# Altium PCB ControlBoard.PcbDoc (part 1 of 3)
Units mm, origin at the board's own origin, x right, y up, seen from the top; angles counter-clockwise.
Board outline 230 x 120 mm, 4 copper layers (Top Layer, GND, PWR, Bottom Layer), stack 0.778 mm thick; 165 components, 126 nets, 587 pads, 792 vias.
Unrouted connection lines stored in the file: 3.
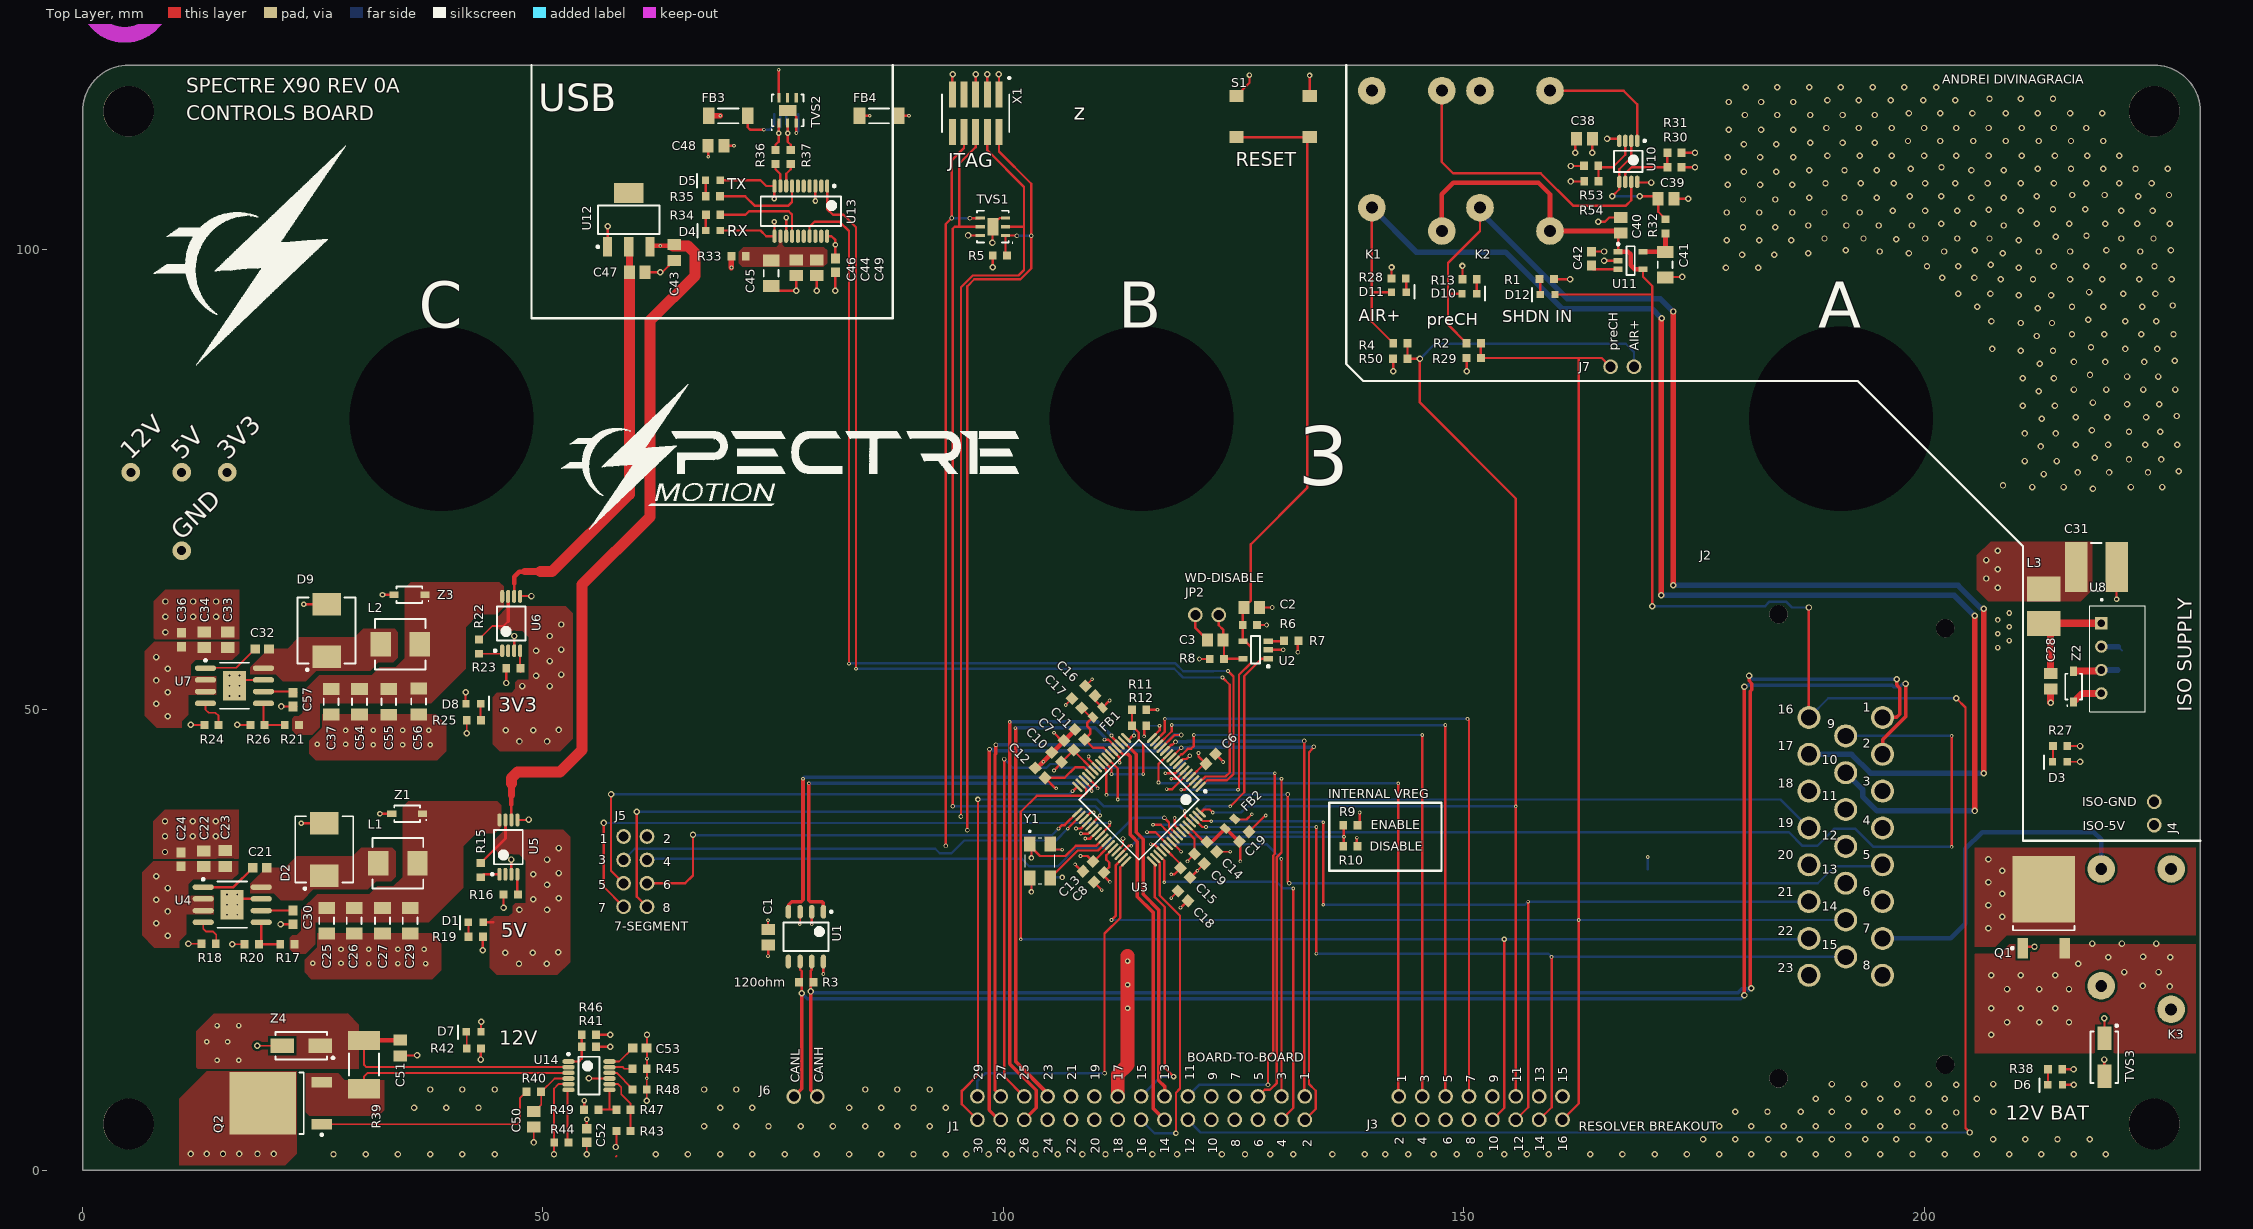
[diagram p0: Top Layer view]
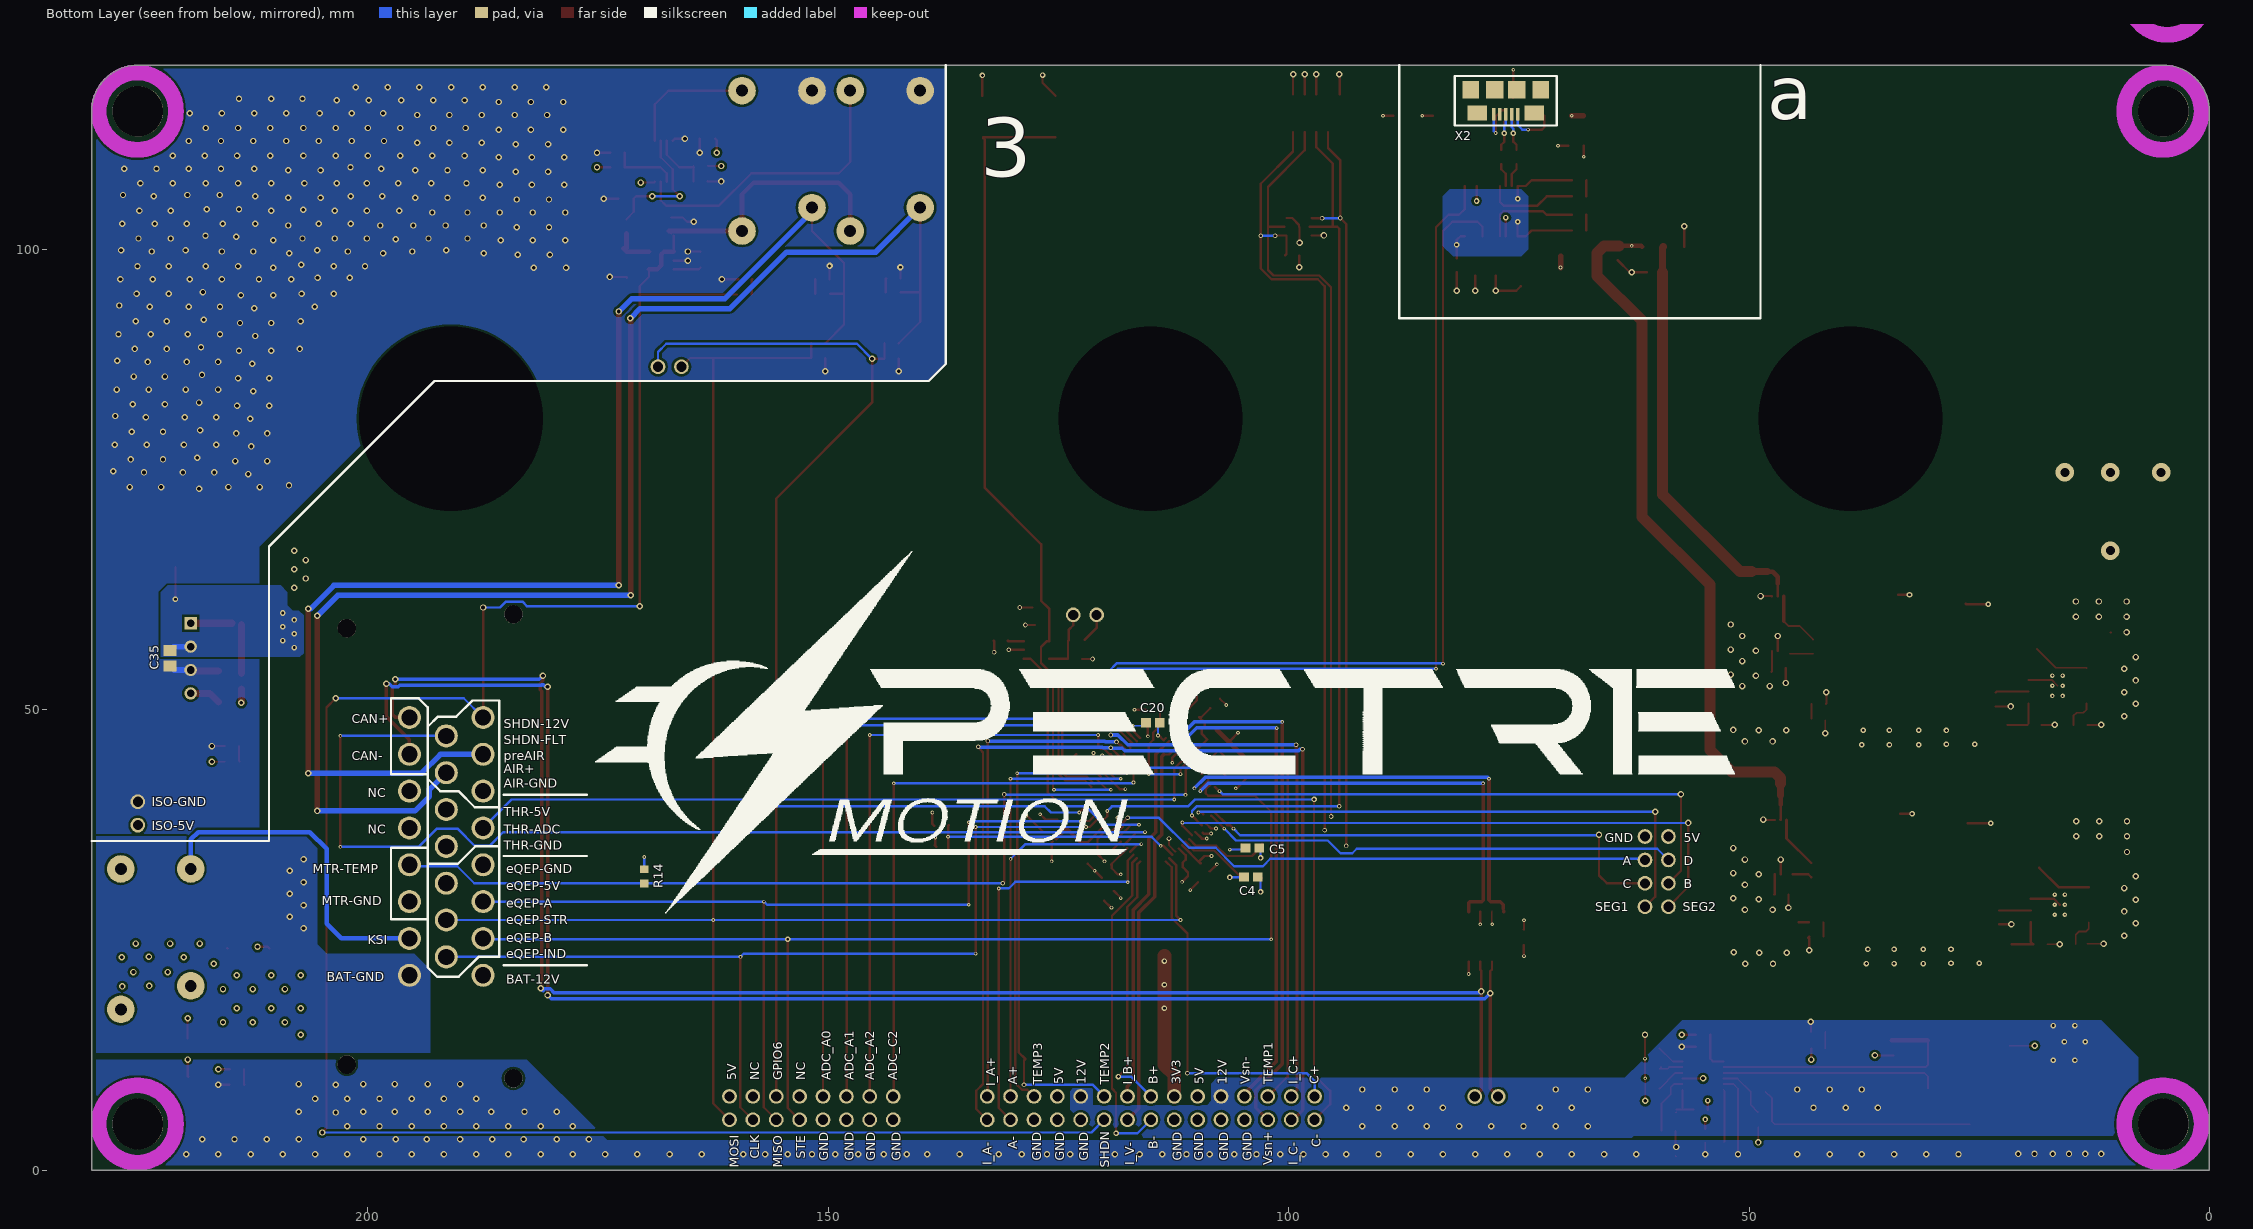
[diagram p1: Bottom Layer view, seen from below]
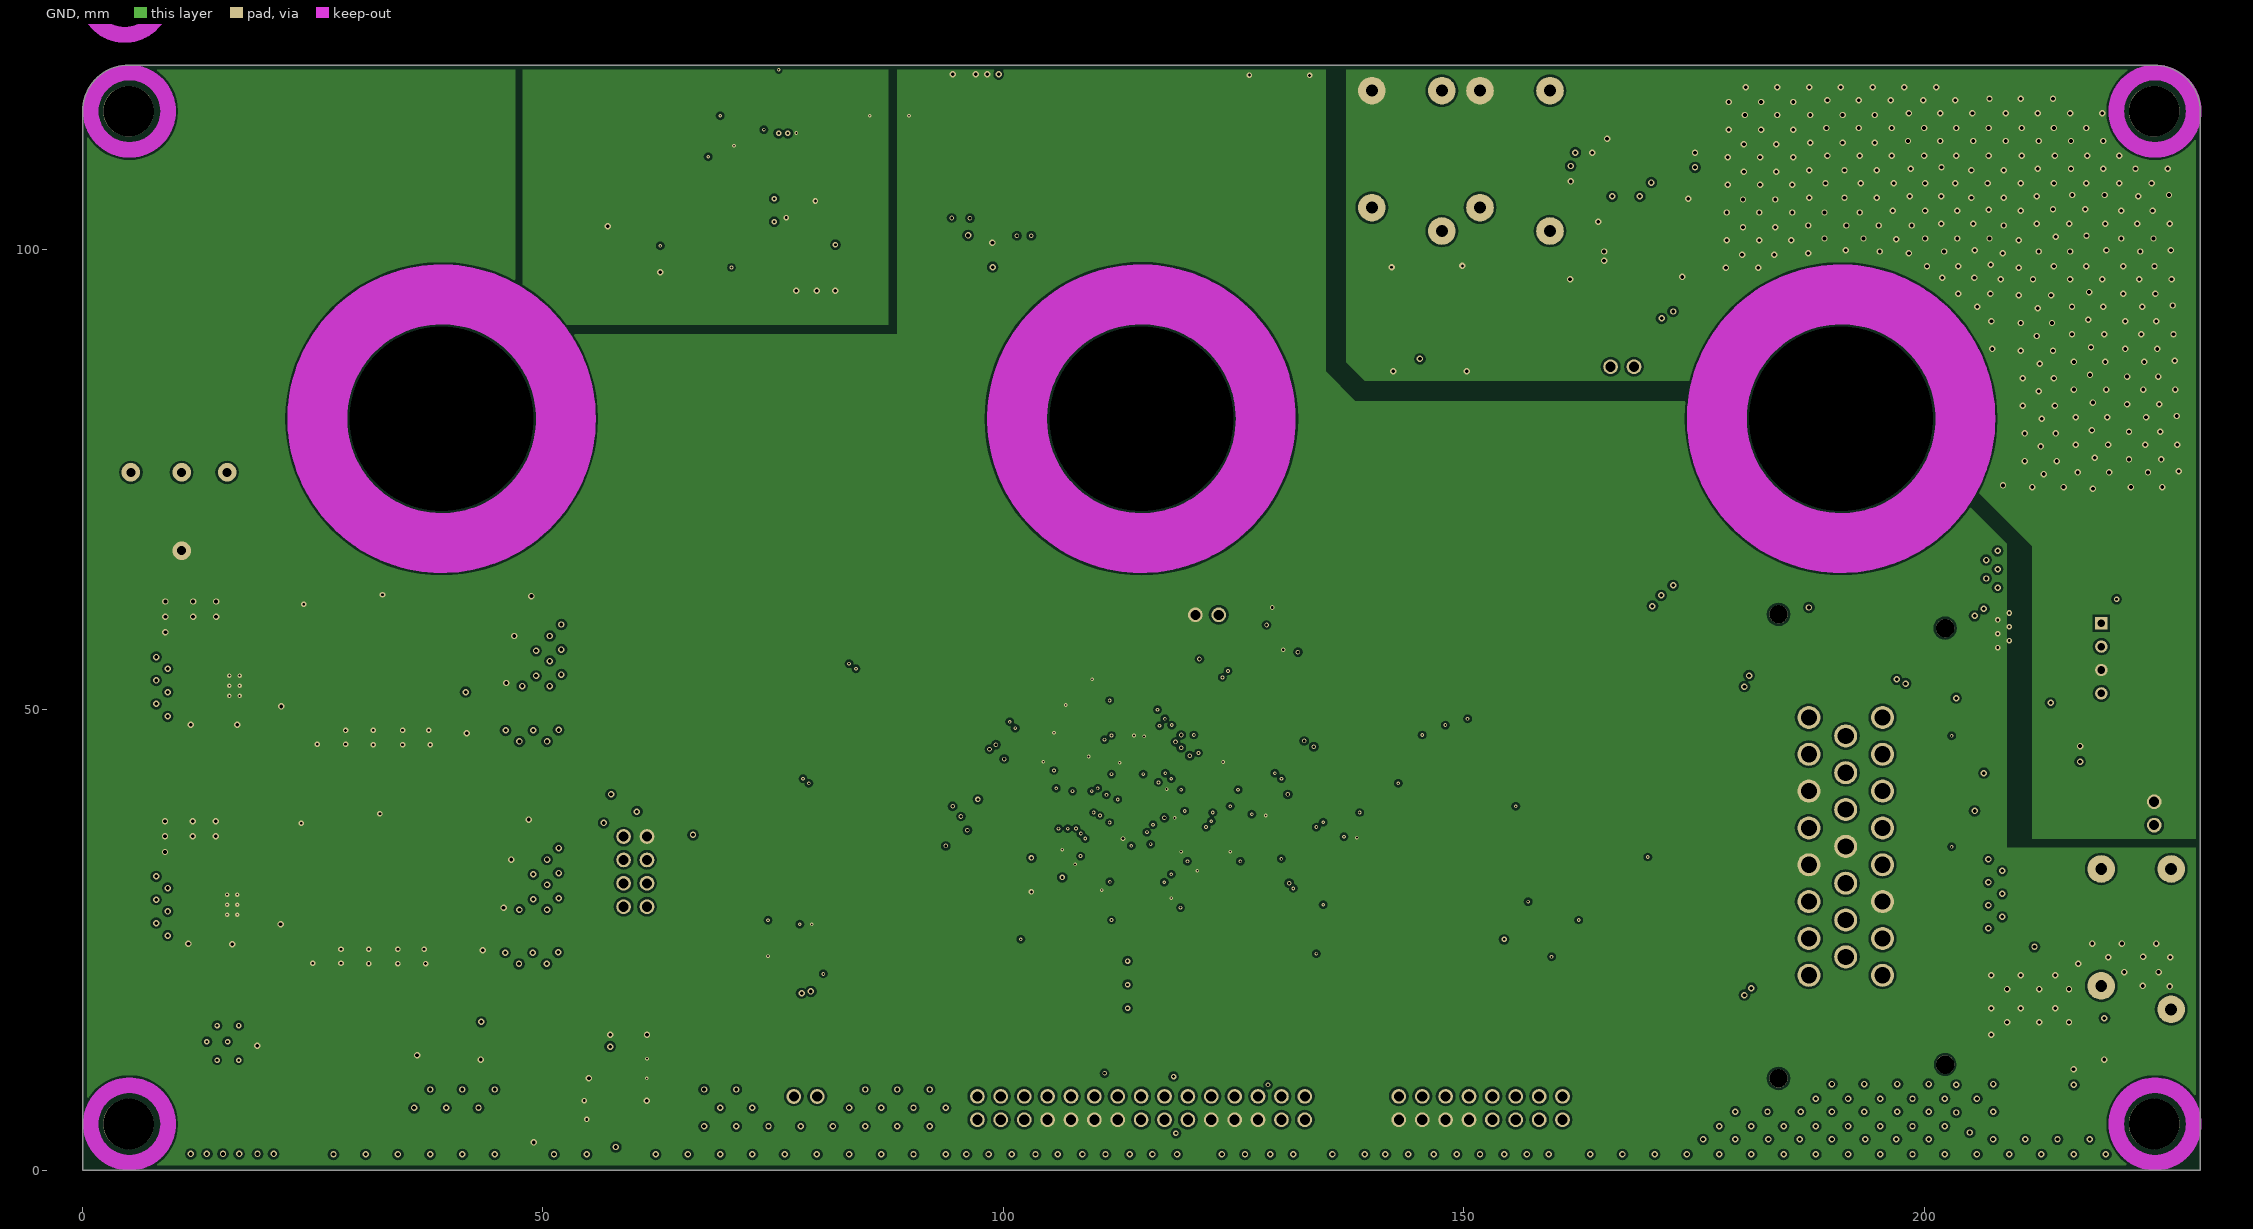
[diagram p2: GND]
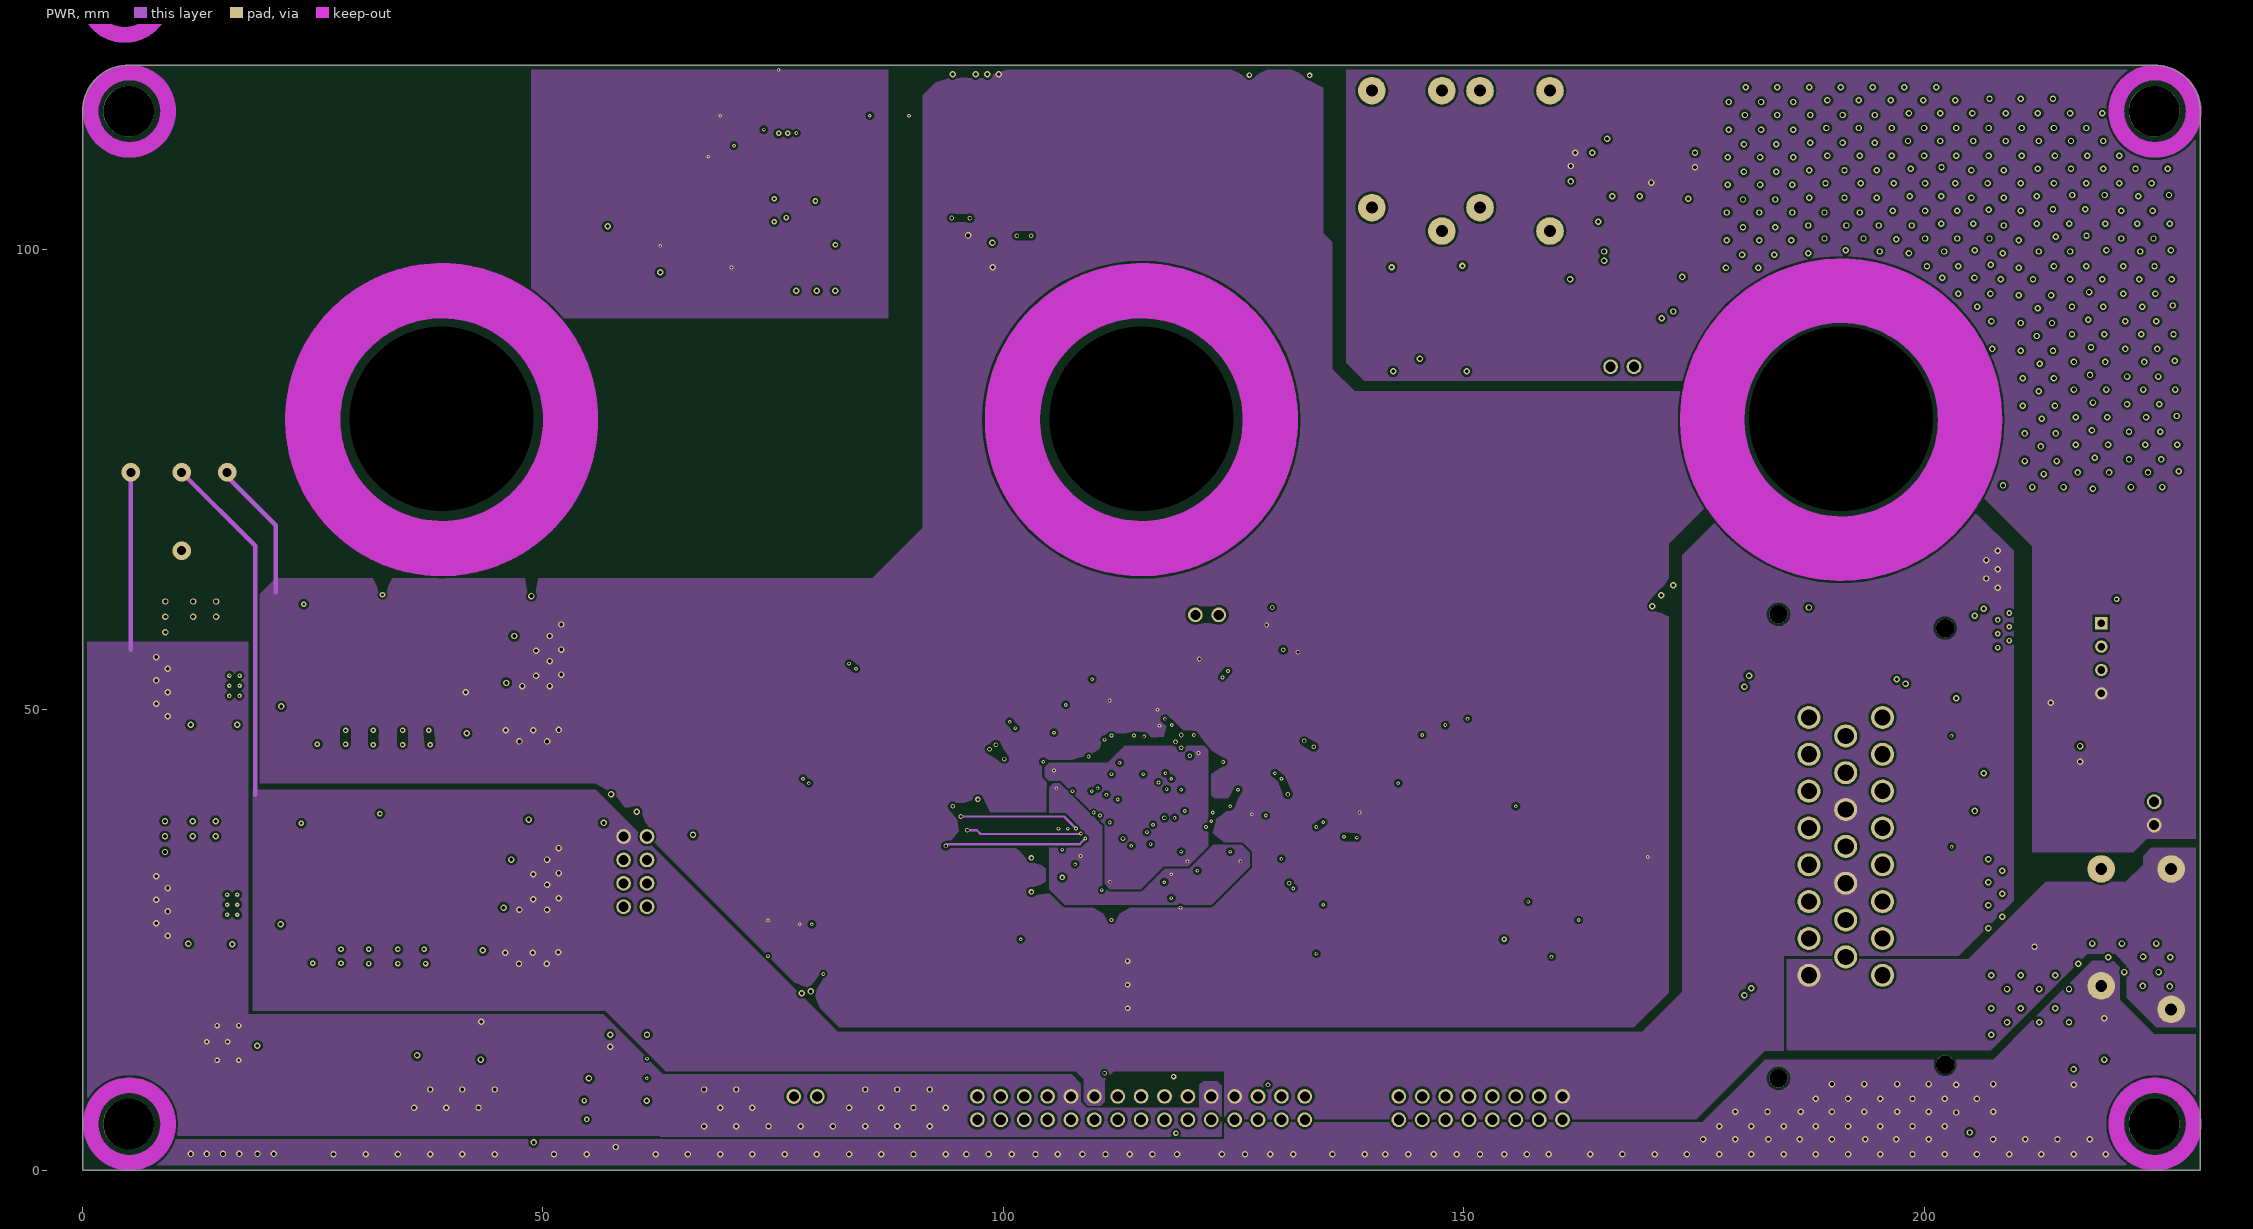
[diagram p3: PWR]

## Layer stack, top to bottom
Top Solder: solder mask 0.0102, Solder Resist, Dk 3.5
Top Layer: signal copper 0.0356
Dielectric 1: core 0.254, FR-4, Dk 4.2
GND: signal copper 0.036
Dielectric 2: prepreg 0.127, Dk 4.2
PWR: signal copper 0.036
Dielectric 3: core 0.254, Dk 4.2
Bottom Layer: signal copper 0.0356
Bottom Solder: solder mask 0.0102, Solder Resist, Dk 3.5

## Board outline
0,0 0,115 cw(c5,115) 5,120 225,120 cw(c225,115) 230,115 230,0

## Design rules (kind name [scope] priority, off if disabled: settings)
Clearance [All] p1: gap=0.254 ignorepadtopadclearanceinfootprint=TRUE except(0: Arc-Hole Track-Hole SMDPad-Hole THPad-Hole Via-Hole Fill-Hole Poly-Hole Region-Hole Text-Hole; 0.154: Arc-Arc Arc-Track Arc-SMDPad Arc-THPad Arc-Via Track-Track Track-SMDPad Track-THPad Track-Via SMDPad-SMDPad SMDPad-THPad SMDPad-Via THPad-THPad THPad-Via Via-Via)
DiffPairsRouting [All] p1: maxlimit=0.254 minlimit=0.254 mostfreqgap=0.254 toplayer_minwidth=0.154 toplayer_maxwidth=0.381 toplayer_prefwidth=0.381 midlayer1_minwidth=0.254 midlayer1_maxwidth=0.381 midlayer1_prefwidth=0.381 midlayer2_minwidth=0.381 midlayer2_maxwidth=0.381 midlayer2_prefwidth=0.381 bottomlayer_minwidth=0.154 bottomlayer_maxwidth=0.381 bottomlayer_prefwidth=0.381 maxuncoupledlength=12.7
PolygonConnect [All] p1: connectstyle=Direct reliefconductorwidth=0.254 reliefentries=4 polygonreliefangle="90 Angle" airgapwidth=0.254
RoutingVias [All] p1: holewidth=0.711 width=1.27 viastyle="Through Hole" minholewidth=0.711 minwidth=1.27 maxholewidth=0.711 maxwidth=1.27
SolderMaskExpansion [All] p1: expansion=0.102
Width [All] p1: maxlimit=10 minlimit=0.1 preferedwidth=0.254 midlayer2_minwidth=0.254 midlayer2_maxwidth=0.254 minimp=50.000000 maximp=50.000000 favimp=50.000000 checkconnectedcopper=TRUE
29 further rules are at their usual default settings.

## Classes and differential pairs
component class U_CTR_UVOV: C50 C51 C52 C53 D6 D7 K3 Q1 Q2 R38 R39 R40 R41 R42 R43 R44 R45 R46 R47 R48 R49 TVS3 U14 Z4
component class U_CTR_USB: C43 C44 C45 C46 C47 C48 C49 D4 D5 FB3 FB4 R33 R34 R35 R36 R37 TVS2 U12 U13 X2
component class U_CTR_Precharge: C38 C39 C40 C41 C42 D10 D11 D12 J7 K1 K2 R1 R2 R4 R13 R28 R29 R30 R31 R32 R50 R53 R54 U10 U11
component class U_CTR_Power_Supply: C21 C22 C23 C24 C25 C26 C27 C28 C29 C30 C31 C32 C33 C34 C35 C36 C37 C54 C55 C56 C57 D1 D2 D3 D8 D9 L1 L2 L3 R15 R16 R17 R18 R19 R20 R21 R22 R23 R24 R25 R26 R27 U4 U5 U6 U7 U8 Z1 Z2 Z3
component class U_CTR_MCU_Signals: C20 R11 R12 R14 U3
component class U_CTR_MCU_Power: C6 C7 C8 C9 C10 C11 C12 C13 C14 C15 C16 C17 C18 C19 FB1 FB2 R9 R10
component class U_CTR_MCU_Circuits: C2 C3 C4 C5 JP2 R5 R6 R7 R8 S1 TVS1 U2 X1 Y1
component class U_CTR_Connectors: J1 J2 J3 J4 J5
component class U_CTR_CAN: C1 J6 R3 U1
differential pair USB_D1: +USB_D1_P -USB_D1_N
differential pair Vsns: +Vsns_P -Vsns_N
differential pair Isns-C: +Isns-C_P -Isns-C_N
differential pair Isns-B: +Isns-B_P -Isns-B_N
differential pair Isns-A: +Isns-A_P -Isns-A_N
differential pair USB_D: +USB_D_P -USB_D_N
differential pair CAN_OUT: +CAN_OUT_P -CAN_OUT_N
differential pair CAN_MCU: +CAN_MCU_P -CAN_MCU_N

## Components (designator, comment, footprint, x,y, rotation, side; value= is the part's Value field where it differs from the comment)
C1 "0.1uF" CAP-0805 74.457,25.27 r90 top
C2 "0.1uF" CAP-0805 127,61.1 r180 top
C3 "0.1uF" CAP-0805 123.029,57.568 r0 top
C4 "15pF" CAP-0603 104.11,31.821 r0 bottom
C5 "15pF" CAP-0603 103.95,34.97 r180 bottom
C6 "0603-0.1uF-50V" CAP-0603 122.53,44.657 r225 top
C7 "0603-0.1uF-50V" CAP-0603 107.12,46.138 r315 top
C8 "0603-0.1uF-50V" CAP-0603 110.4,31.8 r45 top
C9 "0603-0.1uF-50V" CAP-0603 121.3,33.8 r135 top
C10 "0603-0.1uF-50V" CAP-0603 105.8,44.838 r315 top
C11 "0603-0.1uF-50V" CAP-0603 108.322,47.3 r315 top
C12 "0603-0.1uF-50V" CAP-0603 104,43.135 r315 top
C13 "0603-0.1uF-50V" CAP-0603 109.2,32.989 r45 top
C14 "0603-0.1uF-50V" CAP-0603 122.654,35.1 r135 top
C15 "0603-0.1uF-50V" CAP-0603 119.76,32.29 r135 top
C16 "0603-10uF-35V" CAP-0603 109.45,52.046 r315 top
C17 "0603-10uF-35V" CAP-0603 107.998,50.696 r315 top
C18 "0603-10uF-35V" CAP-0603 119.52,29.78 r315 top
C19 "0603-10uF-35V" CAP-0603 126.166,36.207 r225 top
C20 "0603-22uF-10V" CAP-0603 114.75,48.575 r0 bottom
C21 "0.1uF" CAP-0603 19.25,32.835 r180 top
C22 "0805-2.2uF-50V" CAP-0805 13.167,33.82 r90 top
C23 "0805-2.2uF-50V" CAP-0805 15.5,33.835 r90 top
C24 "0.1uF" CAP-0603 10.7,33.739 r270 top
C25 "47uF" CAP-1206 26.5,27.08 r90 top
C26 "47uF" CAP-1206 29.5,27.08 r90 top
C27 "47uF" CAP-1206 32.575,27.08 r90 top
C28 "330pF" CAP-0805 213.75,53.1 r270 top
C29 "47uF" CAP-1206 35.575,27.08 r90 top
C30 "4.7nF" CAP-0603 22.85,27.435 r90 top
C31 "10uF" CAP-2220 218.712,65.5 r180 top
C32 "0.1uF" CAP-0603 19.5,56.6 r180 top
C33 "0805-2.2uF-50V" CAP-0805 15.75,57.6 r90 top
C34 "0805-2.2uF-50V" CAP-0805 13.217,57.6 r90 top
C35 "330pF" CAP-0805 221.5,55.591 r270 bottom
C36 "0.1uF" CAP-0603 10.75,57.6 r270 top
C37 "47uF" CAP-1206 27,50.86 r90 top
C38 "0.1uF" CAP-0805 163.129,112.025 r180 top
C39 "1uF" CAP-0805 171.979,105.5 r180 top
C40 "1uF" CAP-0805 167.054,102.6 r270 top
C41 "10uF" CAP-1206 171.879,98.325 r90 top
C42 "0.001uF" CAP-0603 163.894,99 r90 top
C43 "10uF" CAP-0805 64.25,99.65 r90 top
C44 "0.1uF" CAP-0805 79.75,98 r90 top
C45 "4.7uF" CAP-1206 74.79,97.4 r90 top
C46 "0.1uF" CAP-0805 77.5,98 r90 top
C47 "22uF" CAP-0805 60.25,97.5 r180 top
C48 "10nF" CAP-0805 68.8,111.25 r0 top
C49 "0.1uF" CAP-0603 81.766,98.25 r90 top
C50 "47nF" CAP-0805 49,5.5 r90 top
C51 "22uF" CAP-0805 34.5,13.25 r90 top
C52 "0.1uF" CAP-0603 54.751,3.75 r270 top
C53 "0.1uF" CAP-0603 60.5,13.25 r180 top
C54 "47uF" CAP-1206 30.075,50.86 r90 top
C55 "47uF" CAP-1206 33.25,50.85 r90 top
C56 "47uF" CAP-1206 36.5,50.885 r90 top
C57 "4.7nF" CAP-0603 22.85,51.1 r90 top
D1 "Green" LED-0603 41.5,26.115 r0 top
D2 "B560C-13-F" "DO-214AB, SMC" 26.25,34.82 r90 top
D3 "Green" LED-0603 213.55,43.55 r0 top
D4 "Yellow" LED-0603 67.275,101.25 r0 top
D5 "Green" LED-0603 67.25,106.7 r0 top
D6 "Green" LED-0603 213.047,8.45 r0 top
D7 "Green" LED-0603 41.275,14.2 r0 top
D8 "Green" LED-0603 43.65,51.435 r180 top
D9 "B560C-13-F" "DO-214AB, SMC" 26.5,58.6 r90 top
D10 "Red" LED-0603 151.821,95.958 r180 top
D11 "Green" LED-0603 144.17,96.15 r180 top
D12 "Green" LED-0603 157.925,94.3 r0 top
FB1 "2A 60R" FB-0805 110.25,49.7 r225 top
FB2 "2A 220R" FB-0805 124.623,37.6 r225 top
FB3 "23R @ 100 MHz" FB-1806 70.13,114.5 r180 top
FB4 "23R @ 100 MHz" FB-1806 86.5,114.5 r0 top
J1 "929710-06-36-RK" CONN_30POS_M 132.75,8 r180 top
J2 "776200-1" "Conn 23POS" 195.5,49.154 r270 top
J3 "PRPC008DAAN-RC" 16PIN_HEADER 142.96,8 r0 top
J4 "929710-06-01-RK" CONN-2POS-LONG-M 225,40 r270 top
J5 "PREC004DAAN-RC" CONN-8PIN 58.76,36.22 r270 top
J6 "952-2262-ND" 2PIN_HEADER 77.25,7.99 r0 top
J7 "952-2262-ND" 2PIN_HEADER 168.5,87.25 r180 top
JP2 "952-2262-ND" 2PIN_HEADER 120.86,60.3 r0 top
K1 "5A-12V Relay" Relay 147.629,117.227 r180 top
K2 "5A-12V Relay" Relay 159.379,117.227 r180 top
K3 "5A-12V Relay" Relay 226.85,32.7 r180 top
L1 "IND-3.3uH-5.5A" INDM5252X30N 34.25,33.32 r0 top
L2 "IND-3.3uH-5.5A" INDM5252X30N 34.5,57.1 r0 top
L3 "22uH" IND-4532 213,61.25 r270 top
Q1 "DMN6040SK3-13" TO-252-3 213,28.55 r90 top
Q2 "DMN6040SK3-13" TO-252-3 21.525,7.25 r180 top
R1 "2K2" RES-0603 159.025,96.767 r180 top
R2 "62K" RES-0603 151.1,89.8 r180 top
R3 "120R" RES-0603 78.6,20.4 r0 top
R4 "62K" RES-0603 143.135,89.8 r180 top
R5 "2K2" RES-0603 99.625,99.325 r0 top
R6 "2K2" RES-0603 126.775,59.2 r180 top
R7 "0R" RES-0603 131.275,57.5 r0 top
R8 "2K2" RES-0603 123.2,55.5 r180 top
R9 "0R" RES-0603 137.69,37.45 r0 top